# Altium PCB PROB_S7CAS_PCB.PcbDoc (part 3 of 6) (continued)
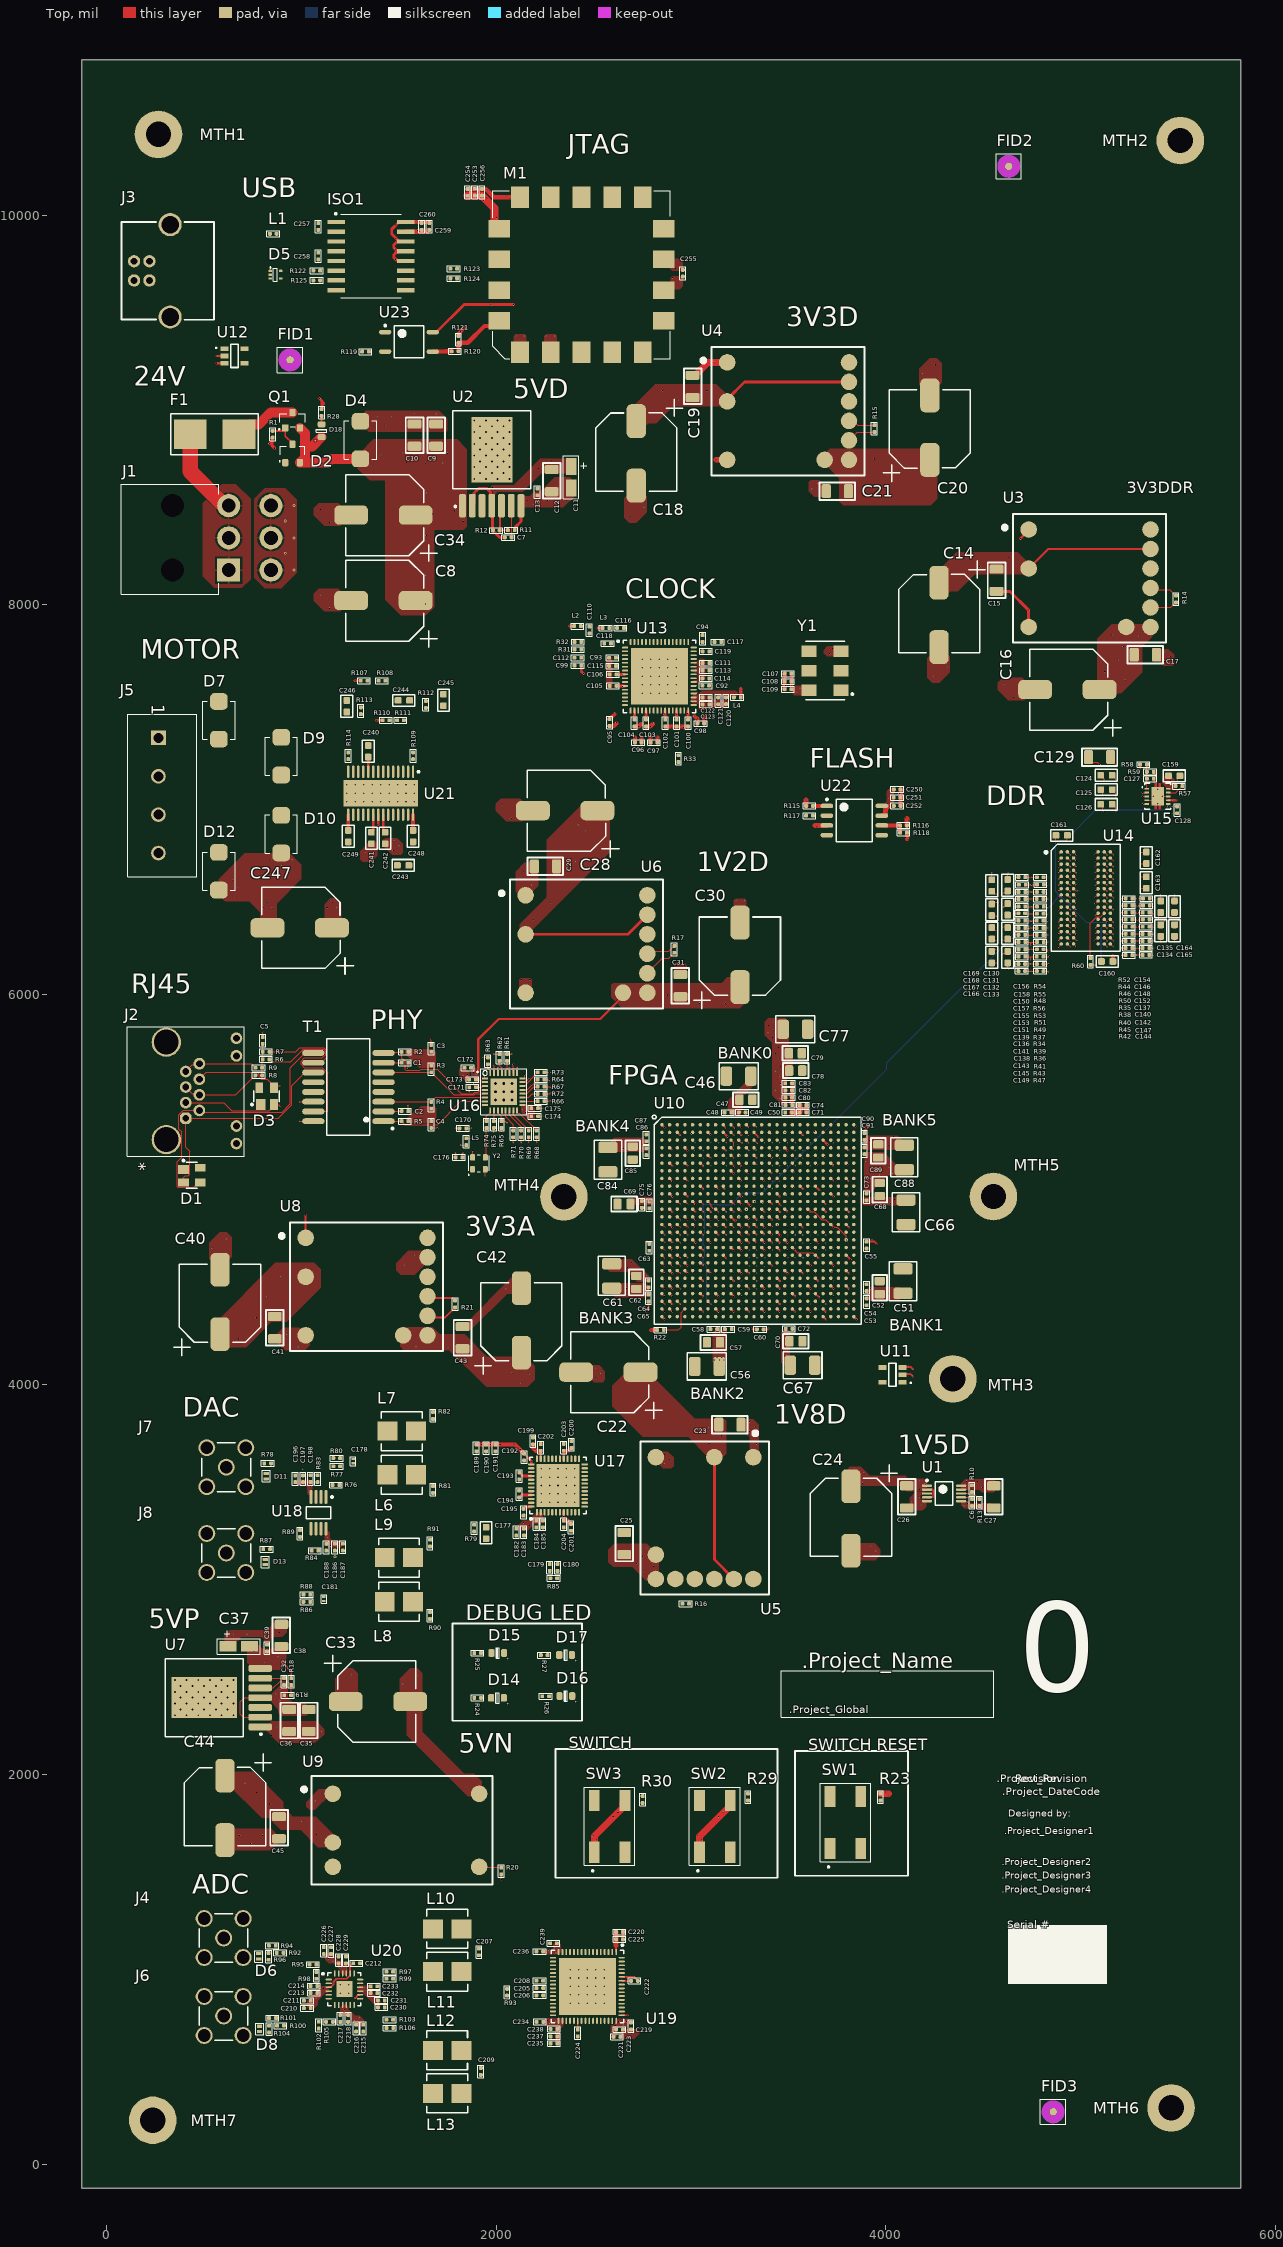
[diagram p0: Top view]
## Nets (pads, with @x,y where several pads share a name; then routed paths per layer and width w, separated by ;. In a path a pad name is that pad's centre, name@x,y a point inside that pad or via, vN(x,y) a via of type N, cw(c..) or ccw(c..) an arc to the next point about the centre after c; other vN are vias at no path point) (continued)
DDR3_A2: R36.1 U10.R9 U14.P3 | length 3887.2
  Top w4: U10.R9@3165.68,4781.73 v1@3179.93,4767.48 ; R36.1@4809.17,6233.22 4825.17,6233.22 4830,6228.4 v1(4830,6217.98) ; U14.P3@4962.24,6323.44 v1(4976.5,6309.19)
  Data 3 w4: v1(3179.97,4767.48) 3179.97,4778.37 3232.33,4830.72 3294.61,4830.72 3660.91,5197.03 3660.91,5350.56 3812.88,5502.52 3814.29,5503.94 3814.29,5514.12 3810.33,5518.08 3810.33,5528.26 3817.12,5535.05 3827.3,5535.05 3845.4,5516.95 3855.59,5516.95 3862.37,5523.74 3862.37,5533.92 3844.27,5552.02 3844.27,5562.2 3851.06,5568.99 3861.24,5568.99 3879.34,5550.89 3889.53,5550.89 3896.31,5557.68 3896.31,5567.86 3878.21,5585.96 3878.21,5596.15 3885,5602.93 3895.18,5602.93 3913.29,5584.83 3923.47,5584.83 3930.26,5591.62 3930.26,5601.8 3912.15,5619.9 3912.15,5630.09 3918.94,5636.87 3929.12,5636.87 3947.23,5618.77 3957.41,5618.77 3964.2,5625.56 3964.2,5635.74 3946.1,5653.85 3946.1,5664.03 3952.88,5670.82 3963.07,5670.82 3981.17,5652.71 3991.35,5652.71 3998.14,5659.5 3998.14,5669.68 3980.04,5687.79 3980.04,5697.97 3986.82,5704.76 3997.01,5704.76 4015.11,5686.66 4025.29,5686.66 4032.08,5693.44 4032.08,5703.63 4013.98,5721.73 4013.98,5731.91 4020.77,5738.7 4030.95,5738.7 4049.05,5720.6 4059.23,5720.6 4066.02,5727.38 4066.02,5737.57 4047.92,5755.67 4047.92,5765.85 4054.71,5772.64 4064.89,5772.64 4082.99,5754.54 4093.17,5754.54 4099.96,5761.33 4099.96,5771.51 4081.86,5789.61 4081.86,5799.79 4088.65,5806.58 4098.83,5806.58 4116.93,5788.48 4127.11,5788.48 4133.9,5795.27 4133.9,5805.45 4115.8,5823.55 4115.8,5833.73 4122.59,5840.52 4132.77,5840.52 4150.87,5822.42 4161.06,5822.42 4167.84,5829.21 4167.84,5839.39 4149.74,5857.49 4149.74,5867.67 4156.53,5874.46 4166.71,5874.46 4184.81,5856.36 4195,5856.36 4201.78,5863.15 4201.78,5873.33 4183.68,5891.43 4183.68,5901.62 4190.47,5908.4 4200.65,5908.4 4218.76,5890.3 4228.94,5890.3 4235.73,5897.09 4235.73,5907.27 4217.62,5925.37 4217.62,5935.56 4224.41,5942.35 4234.59,5942.35 4252.7,5924.24 4262.88,5924.24 4269.67,5931.03 4269.67,5941.21 4251.57,5959.32 4251.57,5969.5 4258.35,5976.29 4268.54,5976.29 4286.64,5958.18 4296.82,5958.18 4303.61,5964.97 4303.61,5975.15 4285.51,5993.26 4285.51,6003.44 4292.29,6010.23 4302.48,6010.23 4320.58,5992.13 4330.76,5992.13 4337.55,5998.91 4337.55,6009.1 4319.45,6027.2 4319.45,6037.38 4326.24,6044.17 4336.42,6044.17 4354.52,6026.07 4364.7,6026.07 4371.49,6032.85 4371.49,6043.04 4353.39,6061.14 4353.39,6071.32 4360.18,6078.11 4370.36,6078.11 4388.46,6060.01 4398.64,6060.01 4405.43,6066.8 4405.43,6076.98 4387.33,6095.08 4387.33,6105.26 4394.12,6112.05 4404.3,6112.05 4422.4,6093.95 4432.58,6093.95 4439.37,6100.74 4439.37,6110.92 4421.27,6129.02 4421.27,6139.2 4428.06,6145.99 4438.24,6145.99 4456.34,6127.89 4466.53,6127.89 4473.31,6134.68 4473.31,6144.86 4455.21,6162.96 4455.21,6173.14 4462,6179.93 4472.18,6179.93 4490.28,6161.83 4500.47,6161.83 4507.25,6168.62 4507.25,6178.8 4490.2,6195.86 4490.2,6206.04 4496.98,6212.83 4507.17,6212.83 4510.08,6209.91 4520.27,6209.91 4528.33,6217.98 4662.26,6217.98 4662.53,6217.71 4669.57,6217.71 4669.84,6217.98 v1(4830,6217.98) ; v1@4830,6220.1 4865.27,6255.37 4911.05,6255.37 4941.71,6286.03 4953.41,6286.03 4976.5,6309.12 v1(4976.5,6309.19)
DDR3_A3: R37.1 U10.P7 U14.N2 | length 3864.2
  Top w4: U10.P7@3086.9,4821.1 v1(3101.23,4806.85) ; R37.1@4808.23,6342.33 v1(4830,6342.33) ; U14.N2@4930.78,6354.93 v1@4945.03,6340.68
  Data 3 w4: v1(4830,6342.33) 4855.87,6342.33 4863.4,6349.86 4935.89,6349.86 v1(4945.07,6340.68)
  Data 4 w4: v1(3101.23,4806.85) 3109.73,4798.35 3181.53,4798.35 3197.66,4814.49 3238.76,4814.49 3254.9,4798.35 3277.56,4798.35 3412.67,4933.46 3476.35,4933.46 3722.65,5179.77 3722.65,5192.56 3924.38,5394.29 3924.38,5395.43 3942.77,5413.81 3952.95,5413.81 3971,5395.76 3981.19,5395.76 3987.97,5402.55 3987.97,5412.73 3969.87,5430.83 3969.87,5441.01 3976.66,5447.8 3986.84,5447.8 4004.94,5429.7 4015.13,5429.7 4021.92,5436.49 4021.92,5446.67 4003.81,5464.77 4003.81,5474.95 4010.6,5481.74 4020.78,5481.74 4038.89,5463.64 4049.07,5463.64 4055.86,5470.43 4055.86,5480.61 4037.75,5498.71 4037.75,5508.89 4044.54,5515.68 4054.72,5515.68 4072.83,5497.58 4083.01,5497.58 4089.8,5504.37 4089.8,5514.55 4071.7,5532.65 4071.7,5542.84 4078.48,5549.62 4088.67,5549.62 4106.77,5531.52 4116.95,5531.52 4123.74,5538.31 4123.74,5548.49 4105.64,5566.59 4105.64,5576.78 4112.42,5583.57 4122.61,5583.57 4140.71,5565.46 4150.89,5565.46 4157.68,5572.25 4157.68,5582.43 4139.58,5600.54 4139.58,5610.72 4146.37,5617.51 4156.55,5617.51 4174.65,5599.4 4184.83,5599.4 4191.62,5606.19 4191.62,5616.37 4173.52,5634.48 4173.52,5644.66 4180.31,5651.45 4190.49,5651.45 4208.59,5633.35 4218.77,5633.35 4225.56,5640.13 4225.56,5650.32 4207.46,5668.42 4207.46,5678.6 4214.25,5685.39 4224.43,5685.39 4242.53,5667.29 4252.71,5667.29 4259.5,5674.07 4259.5,5684.26 4241.4,5702.36 4241.4,5712.54 4248.19,5719.33 4258.37,5719.33 4276.47,5701.23 4286.66,5701.23 4293.44,5708.02 4293.44,5718.2 4275.34,5736.3 4275.34,5746.48 4282.13,5753.27 4292.31,5753.27 4310.41,5735.17 4320.6,5735.17 4327.39,5741.96 4327.39,5752.14 4309.28,5770.24 4309.28,5780.42 4316.07,5787.21 4326.25,5787.21 4344.36,5769.11 4354.54,5769.11 4361.33,5775.9 4361.33,5786.08 4343.22,5804.18 4343.22,5814.36 4350.01,5821.15 4360.19,5821.15 4378.3,5803.05 4388.48,5803.05 4395.27,5809.84 4395.27,5820.02 4377.17,5838.12 4377.17,5848.31 4383.95,5855.09 4394.14,5855.09 4412.24,5836.99 4422.42,5836.99 4429.21,5843.78 4429.21,5853.96 4411.11,5872.06 4411.11,5882.25 4417.89,5889.04 4428.08,5889.04 4446.18,5870.93 4456.36,5870.93 4463.15,5877.72 4463.15,5887.9 4445.05,5906.01 4445.05,5916.19 4451.84,5922.98 4462.02,5922.98 4480.12,5904.87 4490.3,5904.87 4497.09,5911.66 4497.09,5921.85 4478.99,5939.95 4478.99,5950.13 4485.78,5956.92 4495.96,5956.92 4514.06,5938.82 4524.24,5938.82 4531.03,5945.6 4531.03,5955.79 4512.93,5973.89 4512.93,5984.07 4519.72,5990.86 4529.9,5990.86 4548,5972.76 4558.18,5972.76 4564.97,5979.54 4564.97,5989.73 4546.87,6007.83 4546.87,6018.01 4553.66,6024.8 4563.84,6024.8 4581.94,6006.7 4592.13,6006.7 4598.91,6013.49 4598.91,6023.67 4580.81,6041.77 4580.81,6051.95 4587.6,6058.74 4597.78,6058.74 4615.88,6040.64 4626.07,6040.64 4632.86,6047.43 4632.86,6057.61 4614.8,6075.66 4614.8,6085.85 4629.16,6100.21 4787.42,6258.47 4787.42,6299.75 v1(4830,6342.33)
DDR3_A4: R38.1 U10.N9 U14.P8 | length 3824.5
  Top w4: U10.N9@3165.68,4860.47 v1@3179.93,4846.22 ; U14.P8@5119.76,6323.44 v1(5134.05,6309.19) ; v1(5210,6312.31) R38.1@5229.51,6312.31
  Data 3 w4: v1(5134.05,6309.19) 5142.55,6317.69 5182.91,6317.69 5188.3,6312.31 v1(5210,6312.31)
  Data 4 w4: v1(3179.97,4846.22) 3205.24,4846.22 3213.74,4854.72 3229.55,4854.72 3234.29,4849.98 3284.71,4849.98 3287.05,4852.32 3287.05,4855 3317.77,4885.72 3333.37,4885.72 3604.54,5156.89 3604.54,5164.7 3648.89,5209.05 3656.71,5209.05 4035.68,5588.02 4037.09,5589.44 4037.09,5599.62 4033.13,5603.58 4033.13,5613.76 4039.92,5620.55 4050.1,5620.55 4068.2,5602.45 4078.39,5602.45 4085.17,5609.24 4085.17,5619.42 4067.07,5637.52 4067.07,5647.7 4073.86,5654.49 4084.04,5654.49 4102.15,5636.39 4112.33,5636.39 4119.12,5643.18 4119.12,5653.36 4101.01,5671.46 4101.01,5681.65 4107.8,5688.43 4117.98,5688.43 4136.09,5670.33 4146.27,5670.33 4153.06,5677.12 4153.06,5687.3 4134.95,5705.4 4134.95,5715.59 4141.74,5722.37 4151.93,5722.37 4170.03,5704.27 4180.21,5704.27 4187,5711.06 4187,5721.24 4168.9,5739.35 4168.9,5749.53 4175.68,5756.32 4185.87,5756.32 4203.97,5738.21 4214.15,5738.21 4220.94,5745 4220.94,5755.18 4202.84,5773.29 4202.84,5783.47 4209.63,5790.26 4219.81,5790.26 4237.91,5772.15 4248.09,5772.15 4254.88,5778.94 4254.88,5789.13 4236.78,5807.23 4236.78,5817.41 4243.57,5824.2 4253.75,5824.2 4271.85,5806.1 4282.03,5806.1 4288.82,5812.88 4288.82,5823.07 4270.72,5841.17 4270.72,5851.35 4277.51,5858.14 4287.69,5858.14 4305.79,5840.04 4315.97,5840.04 4322.76,5846.83 4322.76,5857.01 4304.66,5875.11 4304.66,5885.29 4311.45,5892.08 4321.63,5892.08 4339.73,5873.98 4349.92,5873.98 4356.7,5880.77 4356.7,5890.95 4338.6,5909.05 4338.6,5919.23 4345.39,5926.02 4355.57,5926.02 4373.67,5907.92 4383.86,5907.92 4390.64,5914.71 4390.64,5924.89 4372.54,5942.99 4372.54,5953.17 4379.33,5959.96 4389.51,5959.96 4407.62,5941.86 4417.8,5941.86 4424.59,5948.65 4424.59,5958.83 4406.48,5976.93 4406.48,5987.12 4413.27,5993.9 4423.45,5993.9 4441.56,5975.8 4451.74,5975.8 4458.53,5982.59 4458.53,5992.77 4440.43,6010.87 4440.43,6021.06 4447.21,6027.84 4457.4,6027.84 4475.5,6009.74 4485.68,6009.74 4492.47,6016.53 4492.47,6026.71 4474.37,6044.82 4474.37,6055 4481.15,6061.79 4491.34,6061.79 4509.44,6043.68 4519.62,6043.68 4526.41,6050.47 4526.41,6060.65 4508.31,6078.76 4508.31,6088.94 4515.1,6095.73 4525.28,6095.73 4543.38,6077.62 4553.56,6077.62 4560.35,6084.41 4560.35,6094.6 4548.98,6105.96 4548.98,6116.15 4555.77,6122.94 4565.95,6122.94 4577.32,6111.57 4587.5,6111.57 4594.29,6118.35 4594.29,6128.54 4590.33,6132.5 4590.33,6142.68 4617.13,6169.48 4657.55,6209.9 4657.55,6229.73 4872.17,6444.35 4893.15,6444.35 4893.83,6443.67 4924.48,6443.67 5066.79,6301.36 5097.91,6301.36 5105.73,6309.19 v1(5134.05,6309.19)
DDR3_A5: R39.1 U10.R2 U14.P2 | length 3866.5
  Top w4: U10.R2@2890.05,4781.73 v1@2901.84,4769.99 ; R39.1@4809.4,6270.13 v1(4830,6270.13) ; U14.P2@4930.78,6323.44 v1@4945.03,6309.19
  Data 3 w4: v1(2901.88,4769.99) 2902.69,4769.99 2908.34,4775.63 2912.49,4775.63 2935.25,4798.39 2940.19,4798.39 2940.23,4798.35 2947.27,4798.35 2952.25,4803.33 2952.25,4818.04 2935.25,4835.04 2935.25,4859.6 2952.25,4876.6 2952.25,5063.59 3566.2,5677.54 3567.61,5678.96 3567.61,5689.14 3563.65,5693.1 3563.65,5703.28 3570.44,5710.07 3580.63,5710.07 3598.73,5691.97 3608.91,5691.97 3615.7,5698.75 3615.7,5708.94 3597.6,5727.04 3597.6,5737.22 3604.38,5744.01 3614.57,5744.01 3632.67,5725.91 3642.85,5725.91 3649.64,5732.7 3649.64,5742.88 3631.54,5760.98 3631.54,5771.16 3638.33,5777.95 3648.51,5777.95 3666.61,5759.85 3676.79,5759.85 3683.58,5766.64 3683.58,5776.82 3665.48,5794.92 3665.48,5805.1 3672.27,5811.89 3682.45,5811.89 3700.55,5793.79 3710.73,5793.79 3717.52,5800.58 3717.52,5810.76 3699.42,5828.86 3699.42,5839.04 3706.21,5845.83 3716.39,5845.83 3734.49,5827.73 3744.67,5827.73 3751.46,5834.52 3751.46,5844.7 3733.36,5862.8 3733.36,5872.99 3740.15,5879.77 3750.33,5879.77 3768.43,5861.67 3778.62,5861.67 3785.4,5868.46 3785.4,5878.64 3767.3,5896.74 3767.3,5906.93 3774.09,5913.71 3784.27,5913.71 3802.37,5895.61 3812.56,5895.61 3819.34,5902.4 3819.34,5912.58 3801.24,5930.68 3801.24,5940.87 3808.03,5947.66 3818.21,5947.66 3836.32,5929.55 3846.5,5929.55 3853.29,5936.34 3853.29,5946.52 3849.33,5950.48 3849.33,5960.67 3867.23,5978.57 3878.06,5989.4 4026.83,5989.4 4029.28,5991.85 4030.7,5993.27 4030.7,6003.45 4026.74,6007.41 4026.74,6017.59 4033.53,6024.38 4043.71,6024.38 4061.81,6006.28 4071.99,6006.28 4078.78,6013.07 4078.78,6023.25 4060.68,6041.35 4060.68,6051.53 4067.47,6058.32 4077.65,6058.32 4095.75,6040.22 4105.94,6040.22 4112.72,6047.01 4112.72,6057.19 4094.62,6075.29 4094.62,6085.47 4101.41,6092.26 4111.59,6092.26 4129.69,6074.16 4139.88,6074.16 4146.66,6080.95 4146.66,6091.13 4128.56,6109.23 4128.56,6119.42 4135.35,6126.2 4145.53,6126.2 4163.64,6108.1 4173.82,6108.1 4180.61,6114.89 4180.61,6125.07 4162.5,6143.17 4162.5,6153.36 4169.29,6160.14 4179.47,6160.14 4197.58,6142.04 4207.76,6142.04 4214.55,6148.83 4214.55,6159.01 4196.44,6177.12 4196.44,6187.3 4203.23,6194.09 4213.42,6194.09 4231.52,6175.98 4241.7,6175.98 4248.49,6182.77 4248.49,6192.95 4230.39,6211.06 4230.39,6221.24 4237.17,6228.03 4247.36,6228.03 4265.46,6209.93 4275.64,6209.93 4282.43,6216.71 4282.43,6226.9 4264.33,6245 4264.33,6255.18 4271.12,6261.97 4281.3,6261.97 4285.26,6258.01 4295.44,6258.01 4307.56,6270.13 v1(4830,6270.13) 4849.53,6289.66 4925.54,6289.66 v1(4945.07,6309.19)
DDR3_A6: R40.1 U10.R1 U14.R8 | length 3864.4
  Top w4: U10.R1@2850.68,4781.73 v1@2864.94,4767.48 ; U14.R8@5119.76,6291.94 v1(5134.05,6277.69) ; v1(5210,6275.69) R40.1@5229.19,6275.69
  Data 3 w4: v1(5134.05,6277.69) 5142.55,6286.19 5180.35,6286.19 5190.86,6275.69 v1(5210,6275.69)
  Data 4 w4: v1(2864.95,4767.48) 2864.95,4757.97 2956.67,4666.24 3563.2,4666.24 3712.31,4815.35 3751.68,4815.35 3878.42,4942.09 3878.42,4945 4613.64,5680.23 4656.05,5722.64 4656.05,5732.82 4653.15,5735.73 4653.15,5745.91 4659.93,5752.7 4670.12,5752.7 4687.17,5735.65 4697.35,5735.65 4704.14,5742.44 4704.14,5752.62 4686.03,5770.72 4686.03,5780.9 4692.82,5787.69 4703,5787.69 4721.11,5769.59 4731.29,5769.59 4738.08,5776.38 4738.08,5786.56 4719.97,5804.66 4719.97,5814.84 4726.76,5821.63 4736.95,5821.63 4755.05,5803.53 4765.23,5803.53 4772.02,5810.32 4772.02,5820.5 4753.92,5838.6 4753.92,5848.79 4760.7,5855.57 4770.89,5855.57 4788.99,5837.47 4799.17,5837.47 4805.96,5844.26 4805.96,5854.44 4787.86,5872.54 4787.86,5882.73 4794.65,5889.51 4804.83,5889.51 4822.93,5871.41 4833.11,5871.41 4839.9,5878.2 4839.9,5888.38 4821.8,5906.49 4821.8,5916.67 4828.59,5923.46 4838.77,5923.46 4856.87,5905.35 4867.05,5905.35 4873.84,5912.14 4873.84,5922.32 4855.74,5940.43 4855.74,5950.61 4862.53,5957.4 4872.71,5957.4 4890.81,5939.3 4900.99,5939.3 4907.78,5946.08 4907.78,5956.27 4889.68,5974.37 4889.68,5984.55 4896.47,5991.34 4906.65,5991.34 4924.75,5973.24 4934.94,5973.24 4941.72,5980.02 4941.72,5990.21 4923.62,6008.31 4923.62,6018.49 4930.41,6025.28 4940.59,6025.28 4958.69,6007.18 4968.88,6007.18 4975.66,6013.97 4975.66,6024.15 4957.56,6042.25 4957.56,6052.43 4964.35,6059.22 4974.53,6059.22 4992.64,6041.12 5002.82,6041.12 5009.61,6047.91 5009.61,6058.09 4991.5,6076.19 4991.5,6086.37 4998.29,6093.16 5008.47,6093.16 5026.58,6075.06 5036.76,6075.06 5043.55,6081.85 5043.55,6092.03 5039.59,6095.99 5039.59,6106.17 5041,6107.59 5142.55,6209.13 5142.55,6255.53 5134.05,6264.03 v1(5134.05,6277.69)
DDR3_A7: R41.1 U10.P10 U14.R2 | length 3887.2
  Top w4: U10.P10@3205.01,4821.1 3205.01,4820.85 3219.61,4806.24 v1(3219.61,4805.99) ; R41.1@4808.74,6195.35 4836.19,6195.35 4837.69,6196.85 v1(4838.5,6196.85) ; U14.R2@4930.78,6291.94 v1(4945.23,6277.53)
  Data 3 w4: v1(3219.61,4805.99) 3220.19,4806.56 3220.19,4808.68 3235.23,4823.72 3297.5,4823.72 3667.91,5194.13 3667.91,5269.02 3693.13,5294.23 3694.54,5295.65 3694.54,5305.83 3690.58,5309.79 3690.58,5319.97 3697.37,5326.76 3707.55,5326.76 3725.65,5308.66 3735.84,5308.66 3742.62,5315.45 3742.62,5325.63 3724.52,5343.73 3724.52,5353.91 3731.31,5360.7 3741.49,5360.7 3759.6,5342.6 3769.78,5342.6 3776.57,5349.39 3776.57,5359.57 3758.46,5377.67 3758.46,5387.86 3765.25,5394.64 3775.43,5394.64 3793.54,5376.54 3803.72,5376.54 3810.51,5383.33 3810.51,5393.51 3792.41,5411.61 3792.41,5421.8 3799.19,5428.58 3809.38,5428.58 3827.48,5410.48 3837.66,5410.48 3844.45,5417.27 3844.45,5427.45 3826.35,5445.56 3826.35,5455.74 3833.13,5462.53 3843.32,5462.53 3861.42,5444.42 3871.6,5444.42 3878.39,5451.21 3878.39,5461.39 3860.29,5479.5 3860.29,5489.68 3867.08,5496.47 3877.26,5496.47 3895.36,5478.37 3905.54,5478.37 3912.33,5485.15 3912.33,5495.34 3894.23,5513.44 3894.23,5523.62 3901.02,5530.41 3911.2,5530.41 3929.3,5512.31 3939.48,5512.31 3946.27,5519.09 3946.27,5529.28 3928.17,5547.38 3928.17,5557.56 3934.96,5564.35 3945.14,5564.35 3963.24,5546.25 3973.42,5546.25 3980.21,5553.04 3980.21,5563.22 3962.11,5581.32 3962.11,5591.5 3968.9,5598.29 3979.08,5598.29 3997.18,5580.19 4007.37,5580.19 4014.15,5586.98 4014.15,5597.16 3996.05,5615.26 3996.05,5625.44 4002.84,5632.23 4013.02,5632.23 4031.12,5614.13 4041.31,5614.13 4048.09,5620.92 4048.09,5631.1 4029.99,5649.2 4029.99,5659.38 4036.78,5666.17 4046.96,5666.17 4065.07,5648.07 4075.25,5648.07 4082.04,5654.86 4082.04,5665.04 4063.93,5683.14 4063.93,5693.33 4070.72,5700.11 4080.9,5700.11 4099.01,5682.01 4109.19,5682.01 4115.98,5688.8 4115.98,5698.98 4097.88,5717.08 4097.88,5727.27 4104.66,5734.05 4114.85,5734.05 4132.95,5715.95 4143.13,5715.95 4149.92,5722.74 4149.92,5732.92 4131.82,5751.03 4131.82,5761.21 4138.6,5768 4148.79,5768 4166.89,5749.89 4177.07,5749.89 4183.86,5756.68 4183.86,5766.86 4165.76,5784.97 4165.76,5795.15 4172.55,5801.94 4182.73,5801.94 4200.83,5783.84 4211.01,5783.84 4217.8,5790.62 4217.8,5800.81 4199.7,5818.91 4199.7,5829.09 4206.49,5835.88 4216.67,5835.88 4234.77,5817.78 4244.95,5817.78 4251.74,5824.56 4251.74,5834.75 4233.64,5852.85 4233.64,5863.03 4240.43,5869.82 4250.61,5869.82 4268.71,5851.72 4278.89,5851.72 4285.68,5858.51 4285.68,5868.69 4267.58,5886.79 4267.58,5896.97 4274.37,5903.76 4284.55,5903.76 4302.65,5885.66 4312.84,5885.66 4319.62,5892.45 4319.62,5902.63 4301.52,5920.73 4301.52,5930.91 4308.31,5937.7 4318.49,5937.7 4336.59,5919.6 4346.78,5919.6 4353.57,5926.39 4353.57,5936.57 4335.46,5954.67 4335.46,5964.85 4342.25,5971.64 4352.43,5971.64 4370.54,5953.54 4380.72,5953.54 4387.51,5960.33 4387.51,5970.51 4369.4,5988.61 4369.4,5998.8 4376.19,6005.58 4386.37,6005.58 4404.48,5987.48 4414.66,5987.48 4421.45,5994.27 4421.45,6004.45 4403.35,6022.55 4403.35,6032.74 4410.13,6039.52 4420.32,6039.52 4438.42,6021.42 4448.6,6021.42 4455.39,6028.21 4455.39,6038.39 4437.29,6056.5 4437.29,6066.68 4444.07,6073.47 4454.26,6073.47 4469.38,6058.34 4479.56,6058.34 4486.35,6065.13 4486.35,6075.31 4485.37,6076.29 4485.37,6086.48 4516,6117.11 4595.74,6196.85 v1(4838.5,6196.85) ; v1@4839.89,6196.85 4850.11,6196.85 4851.61,6195.35 4862.4,6195.35 4944.58,6277.53 v1(4945.23,6277.53)
DDR3_A8: R42.1 U10.N4 U14.T8 | length 3887.2
  Top w4: U10.N4@2968.79,4860.47 v1(2983.12,4846.22) ; U14.T8@5119.76,6260.44 v1(5134.05,6246.2) ; v1(5210,6203.14) R42.1@5229.09,6203.14
  Data 3 w4: v1(2983.12,4846.22) 2983.12,4828.62 2991.62,4820.12 2991.62,4803.33 2934.17,4745.88 2897.32,4745.88 2839.87,4688.42 2839.87,4542.36 2874.59,4507.64 2874.59,4486.81 2849.89,4462.11 2849.89,4445.07 2857.95,4437.02 3241.09,4437.02 3248.09,4444.02 3610.46,4444.02 3824.31,4657.87 3858.61,4657.87 5134.05,5933.3 v1(5134.05,6246.2) 5177.1,6203.14 v1(5210,6203.14)
DDR3_A9: R43.1 U10.N3 U14.R3 | length 3887.2
  Top w4: U10.N3@2929.46,4860.47 v1@2943.71,4846.22 ; R43.1@4808.9,6157.71 4830.94,6157.7 4833.18,6155.47 v1(4833.99,6155.47) ; U14.R3@4962.28,6291.94 v1@4977.91,6276.31
  Data 3 w4: v1(2943.75,4846.22) 2943.75,4858.2 2962.78,4877.23 3041.48,4877.23 3058.34,4894.09 3065.38,4894.09 3070.36,4889.11 3070.36,4882.07 3044.99,4856.7 3044.99,4667.56 3047.34,4665.21 3262.53,4665.21 3321.88,4724.56 3336.03,4724.56 3363.19,4751.73 3424.03,4751.73 3479.43,4807.13 3479.43,4833.36 4315.67,5669.6 4317.09,5671.02 4317.09,5681.2 4313.13,5685.16 4313.13,5695.34 4319.92,5702.13 4330.1,5702.13 4348.2,5684.03 4358.38,5684.03 4365.17,5690.82 4365.17,5701 4347.07,5719.1 4347.07,5729.28 4353.86,5736.07 4364.04,5736.07 4382.14,5717.97 4392.32,5717.97 4399.11,5724.76 4399.11,5734.94 4381.01,5753.04 4381.01,5763.22 4387.8,5770.01 4397.98,5770.01 4416.08,5751.91 4426.27,5751.91 4433.05,5758.7 4433.05,5768.88 4414.95,5786.98 4414.95,5797.16 4421.74,5803.95 4431.92,5803.95 4450.02,5785.85 4460.21,5785.85 4467,5792.64 4467,5802.82 4448.89,5820.92 4448.89,5831.11 4455.68,5837.89 4465.86,5837.89 4483.97,5819.79 4494.15,5819.79 4500.94,5826.58 4500.94,5836.76 4482.83,5854.86 4482.83,5865.05 4489.62,5871.84 4499.81,5871.84 4517.91,5853.73 4528.09,5853.73 4534.88,5860.52 4534.88,5870.7 4516.78,5888.81 4516.78,5898.99 4523.56,5905.78 4533.75,5905.78 4551.85,5887.67 4562.03,5887.67 4568.82,5894.46 4568.82,5904.65 4550.72,5922.75 4550.72,5932.93 4557.5,5939.72 4567.69,5939.72 4585.79,5921.62 4595.97,5921.62 4602.76,5928.4 4602.76,5938.59 4584.66,5956.69 4584.66,5966.87 4591.45,5973.66 4601.63,5973.66 4619.73,5955.56 4629.91,5955.56 4636.7,5962.35 4636.7,5972.53 4618.6,5990.63 4618.6,6000.81 4625.39,6007.6 4635.57,6007.6 4653.67,5989.5 4663.85,5989.5 4670.64,5996.29 4670.64,6006.47 4652.54,6024.57 4652.54,6034.75 4659.33,6041.54 4669.51,6041.54 4687.61,6023.44 4697.79,6023.44 4704.58,6030.23 4704.58,6040.41 4686.48,6058.51 4686.48,6068.69 4693.27,6075.48 4703.45,6075.48 4721.55,6057.38 4731.74,6057.38 4738.52,6064.17 4738.52,6074.35 4720.42,6092.45 4720.42,6102.64 4727.21,6109.42 4737.39,6109.42 4754.43,6092.39 4764.61,6092.39 4771.4,6099.18 4771.4,6109.36 4768.51,6112.25 4768.51,6122.43 4792.06,6145.99 4801.54,6155.47 v1(4833.99,6155.47) ; v1@4833.6,6156.59 4867.48,6156.59 4977.7,6266.81 4977.7,6276.06 v1(4977.95,6276.31)
DDR3_A10: R44.1 U10.M10 U14.L7 | length 3819.1
  Top w4: U10.M10@3205.05,4899.84 v1(3219.34,4885.59) ; v1(5073.92,6404.35) 5074.28,6404.35 5087.86,6417.92 U14.L7@5088.22,6417.92 ; v1(5210,6457.65) R44.1@5229.31,6457.65
  Data 3 w4: v1(5073.92,6404.35) 5096.24,6426.67 5179.02,6426.67 v1(5210,6457.65)
  Data 4 w4: v1(3219.34,4885.59) 3236.21,4902.46 3277.31,4902.46 3321.12,4946.27 3335.5,4946.27 3646.76,5257.53 3665.15,5275.91 3675.33,5275.91 3688.34,5262.9 3698.52,5262.9 3705.31,5269.69 3705.31,5279.87 3687.21,5297.97 3687.21,5308.16 3693.99,5314.95 3704.18,5314.95 3722.28,5296.84 3732.46,5296.84 3739.25,5303.63 3739.25,5313.81 3721.15,5331.92 3721.15,5342.1 3727.94,5348.89 3738.12,5348.89 3756.22,5330.78 3766.4,5330.78 3773.19,5337.57 3773.19,5347.75 3755.09,5365.86 3755.09,5376.04 3761.88,5382.83 3772.06,5382.83 3790.16,5364.73 3800.34,5364.73 3807.13,5371.51 3807.13,5381.7 3789.03,5399.8 3789.03,5409.98 3795.82,5416.77 3806,5416.77 3824.1,5398.67 3834.28,5398.67 3841.07,5405.45 3841.07,5415.64 3822.97,5433.74 3822.97,5443.92 3829.76,5450.71 3839.94,5450.71 3858.04,5432.61 3868.23,5432.61 3875.01,5439.4 3875.01,5449.58 3856.91,5467.68 3856.91,5477.86 3863.7,5484.65 3873.88,5484.65 3891.98,5466.55 3902.17,5466.55 3908.96,5473.34 3908.96,5483.52 3890.85,5501.62 3890.85,5511.8 3897.64,5518.59 3907.82,5518.59 3925.93,5500.49 3936.11,5500.49 3942.9,5507.28 3942.9,5517.46 3924.79,5535.56 3924.79,5545.74 3931.58,5552.53 3941.77,5552.53 3959.87,5534.43 3970.05,5534.43 3976.84,5541.22 3976.84,5551.4 3958.74,5569.5 3958.74,5579.69 3965.52,5586.47 3975.71,5586.47 3993.81,5568.37 4003.99,5568.37 4010.78,5575.16 4010.78,5585.34 3997.77,5598.35 3997.77,5608.54 4023.01,5633.78 4396.37,6007.14 4397.78,6008.55 4397.78,6018.73 4393.82,6022.69 4393.82,6032.87 4400.61,6039.66 4410.79,6039.66 4424.87,6025.58 4435.05,6025.58 4441.84,6032.37 4441.84,6042.55 4427.76,6056.63 4427.76,6066.82 4434.55,6073.6 4444.73,6073.6 4458.81,6059.53 4468.99,6059.53 4475.78,6066.31 4475.78,6076.5 4461.7,6090.57 4461.7,6100.76 4468.49,6107.54 4478.67,6107.54 4482.63,6103.58 4492.82,6103.58 4508.93,6119.7 4517.2,6127.97 4550.9,6127.97 4649.69,6226.75 4649.69,6231.77 4759.33,6341.41 4759.33,6356.85 4838.33,6435.85 4845.78,6435.85 4878.69,6468.75 4927.62,6468.75 5070.62,6325.75 5079.91,6325.75 5128.21,6374.05 5128.21,6380.14 5174.04,6425.98 5174.04,6438.69 5169.06,6443.67 5154.57,6443.67 5115.25,6404.35 v1(5073.92,6404.35)
DDR3_A11: R45.1 U10.L3 U14.R7 | length 3864.4
  Top w4: U10.L3@2929.46,4939.21 v1@2943.71,4924.96 ; v1(5073.92,6278.37) 5074.28,6278.37 5087.86,6291.94 U14.R7@5088.22,6291.94 ; v1(5210,6239.5) R45.1@5229.3,6239.49
  Data 3 w4: v1(5073.92,6278.37) 5113.89,6278.37 5154.57,6237.7 5184.7,6237.7 5186.51,6239.5 v1(5210,6239.5)
  Data 4 w4: v1(2943.75,4924.96) 2931.69,4924.96 2842.51,4835.78 2842.51,4797.53 2864.06,4775.98 2873.96,4775.98 2976.7,4673.24 3491.46,4673.24 3554.83,4736.61 3594.2,4736.61 3776.81,4919.23 3776.81,4952.14 3937.06,5112.39 3945.42,5112.39 4509.39,5676.35 4509.39,5686.69 4672.79,5850.1 4687.72,5865.02 4687.72,5875.2 4687.56,5875.36 4687.56,5885.54 4694.35,5892.33 4704.53,5892.33 4718.83,5878.03 4729.01,5878.03 4735.8,5884.82 4735.8,5895 4717.7,5913.1 4717.7,5923.28 4724.49,5930.07 4734.67,5930.07 4752.77,5911.97 4762.95,5911.97 4769.74,5918.76 4769.74,5928.94 4751.64,5947.04 4751.64,5957.23 4758.43,5964.01 4768.61,5964.01 4786.71,5945.91 4796.89,5945.91 4803.68,5952.7 4803.68,5962.88 4785.58,5980.98 4785.58,5991.17 4792.37,5997.96 4802.55,5997.96 4820.65,5979.85 4830.84,5979.85 4837.62,5986.64 4837.62,5996.82 4819.52,6014.93 4819.52,6025.11 4826.31,6031.9 4836.49,6031.9 4854.59,6013.79 4864.78,6013.79 4871.56,6020.58 4871.56,6030.77 4853.46,6048.87 4853.46,6059.05 4860.25,6065.84 4870.43,6065.84 4888.54,6047.74 4898.72,6047.74 4905.51,6054.52 4905.51,6064.71 4887.4,6082.81 4887.4,6092.99 4894.19,6099.78 4904.37,6099.78 4922.48,6081.68 4932.66,6081.68 4939.45,6088.46 4939.45,6098.65 4921.35,6116.75 4921.35,6126.93 4928.13,6133.72 4938.32,6133.72 4956.42,6115.62 4966.6,6115.62 4973.39,6122.41 4973.39,6132.59 4969.43,6136.55 4969.43,6146.73 4970.84,6148.15 5073.92,6251.22 v1(5073.92,6278.37)